# Altium PCB MCU009B_PCB.PcbDoc (part 3 of 4)
Units mil, origin at the board's own origin, x right, y up, seen from the top; angles counter-clockwise.
Board outline 2657.23 x 2215.46 mil, 10 copper layers (Top Layer, Internal-Plane 2, Mid-Layer 3, Mid-Layer 4, Internal-Plane 5, Internal-Plane 6, Mid-Layer 7, Mid-Layer 8, Internal-Plane 9, Bottom Layer), stack 60.8 mil thick; 232 components, 196 nets, 851 pads, 493 vias.
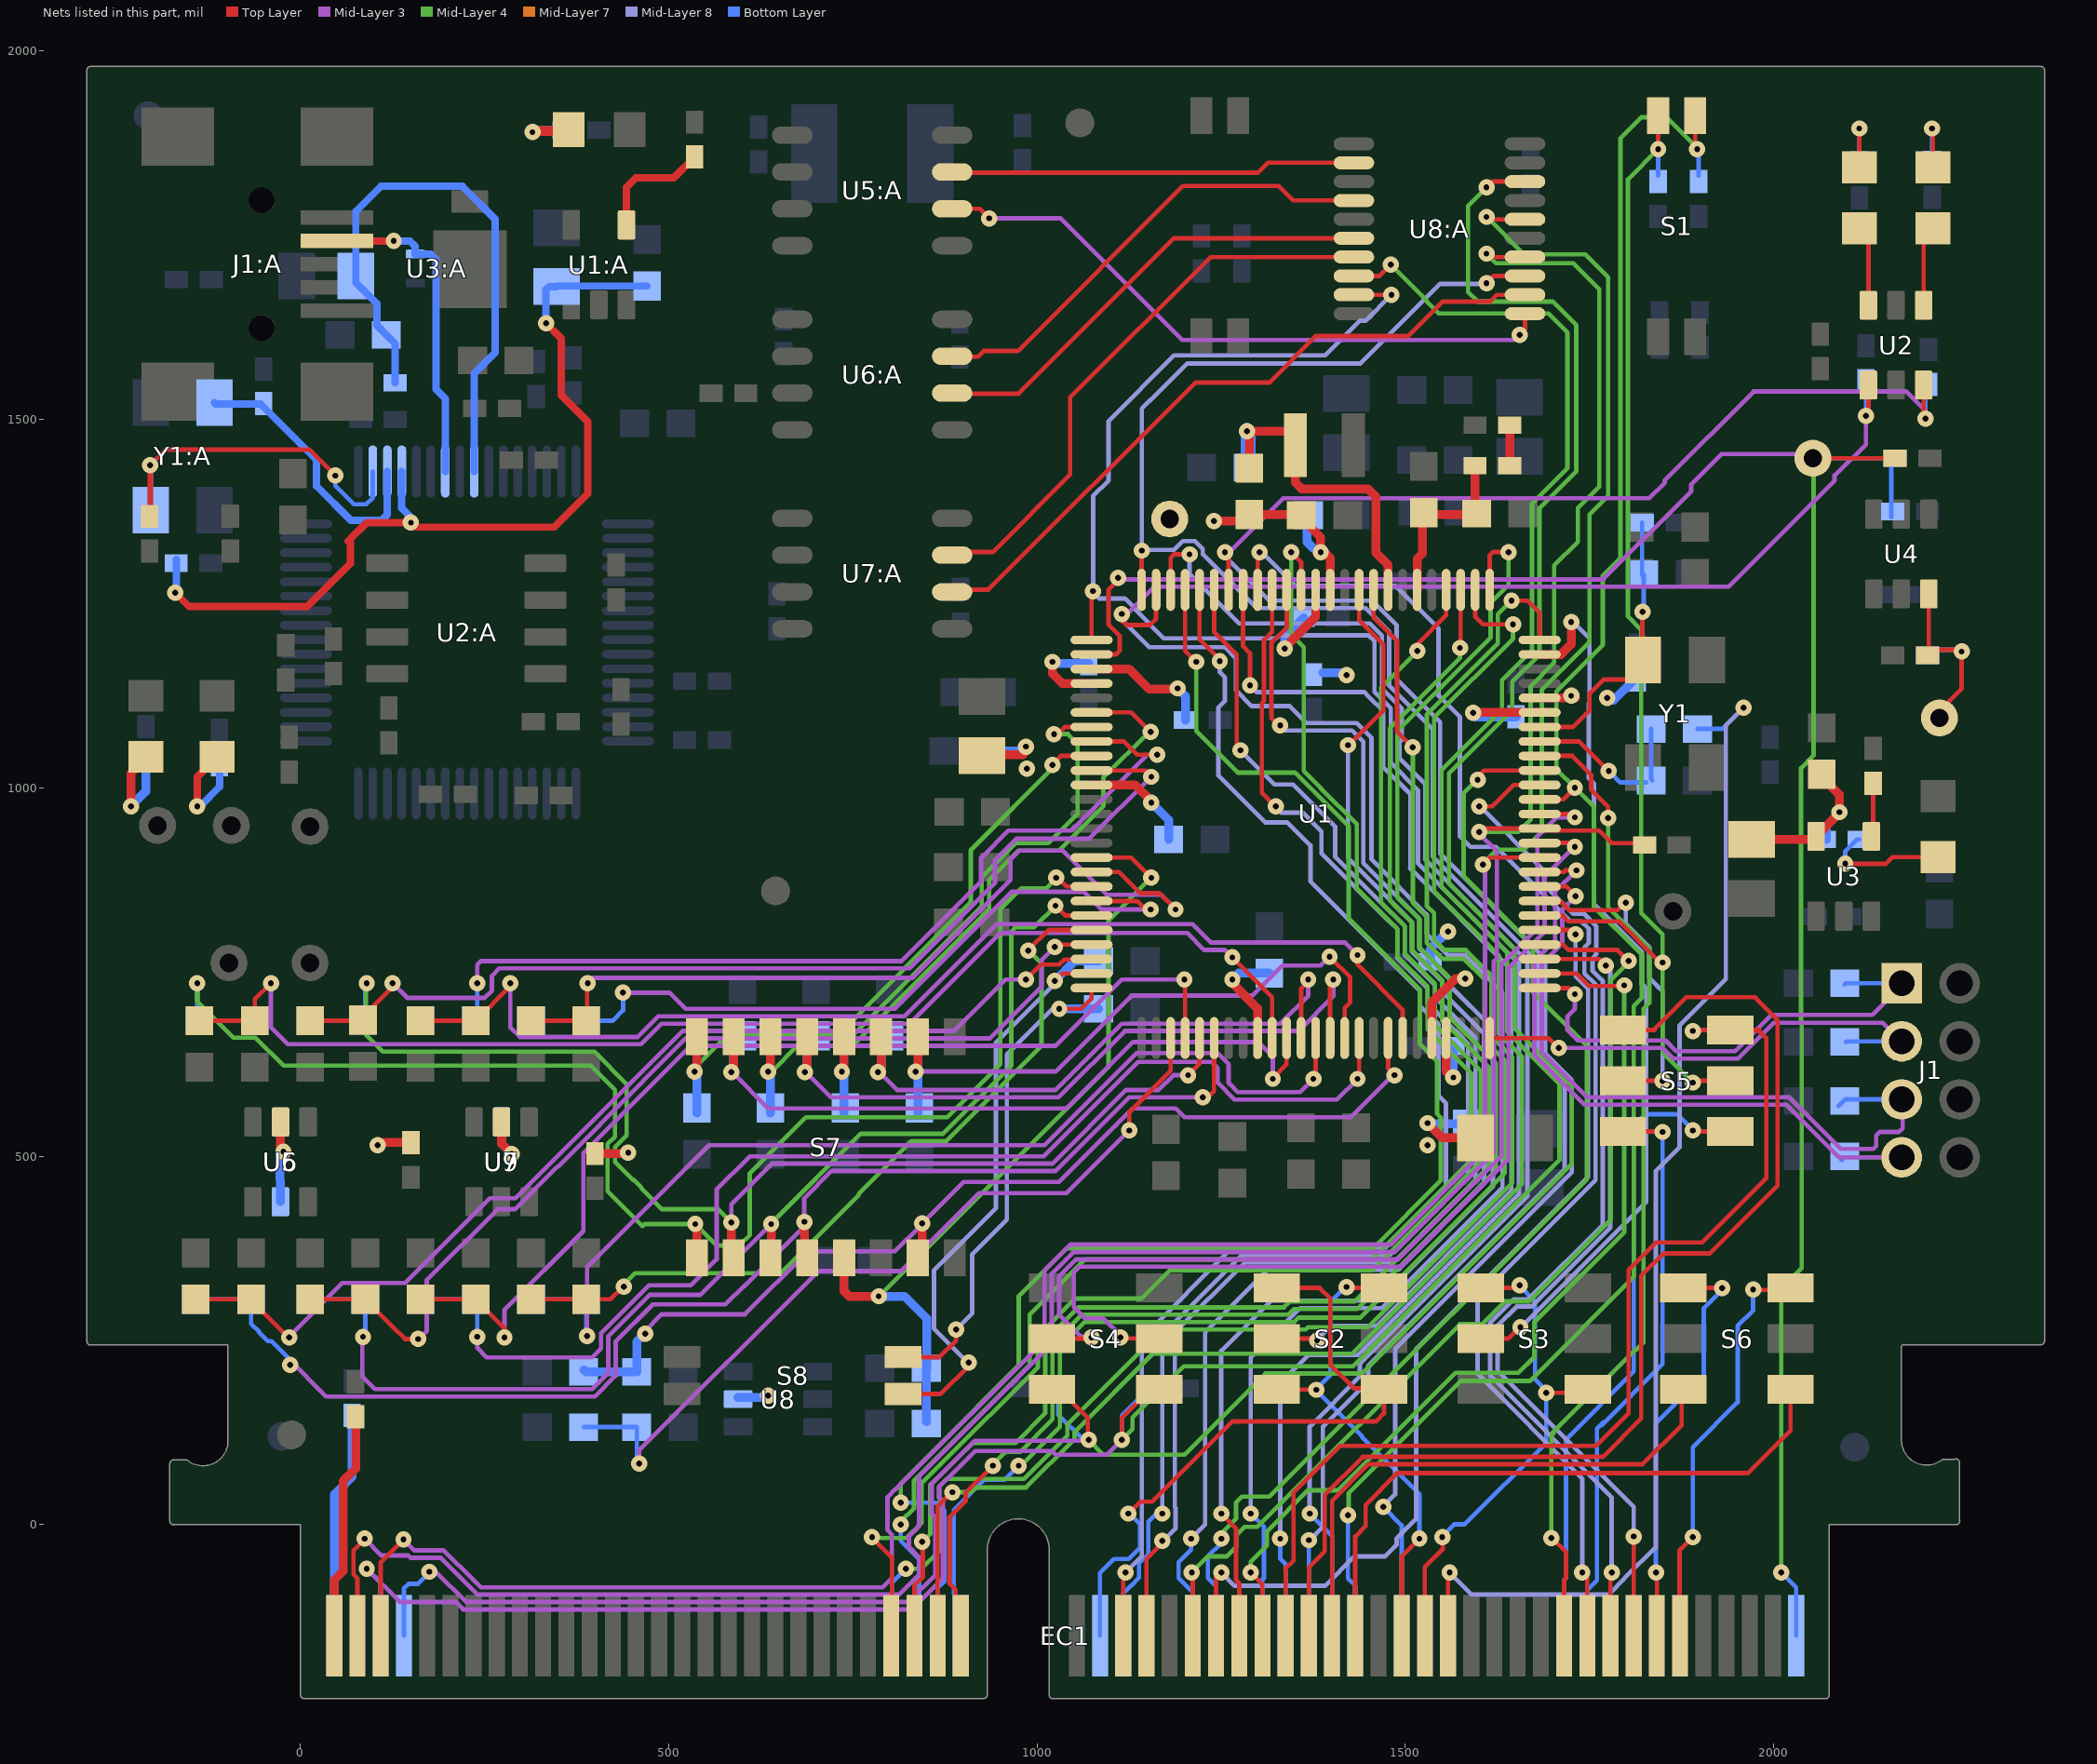
[diagram p11: the nets of this part, all layers, seen from the top]

## Via types
v1: diameter 22, hole 8, Top Layer to Bottom Layer, 414 vias
v2: diameter 22, hole 8, Top Layer to Bottom Layer, tented both sides, 79 vias

## Nets (pads, with @x,y where several pads share a name; then routed paths per layer and width w, separated by ;. In a path a pad name is that pad's centre, name@x,y a point inside that pad or via, vN(x,y) a via of type N, cw(c..) or ccw(c..) an arc to the next point about the centre after c; other vN are vias at no path point) (continued)
HSEC_PIN60: EC1.60 S2.1 S2.6 | length 895
  Top Layer w6: v1@1125,16 1140,31 1156,31 1265,140 1460,140 1470.93,150.93 S2.6@1470.93,183.5 ; S2.1@1325.27,321.3 1383.7,321.3 1398,307 1398,217 1430,185 S2.6@1465,185 ; S2.6@1470.93,185 S2.6@1475,185
  Bottom Layer w6: EC1.60@1085.43,-150.67 1085.43,-65.57 1104.5,-46.5 1124.5,-46.5 1140,-31 1140,0 v1@1124,16
  other v1: 1124,15
HSEC_PIN75: EC1.75 S5.3 | length 1426.1
  Top Layer w6: 1336.9,-60.1 1348,-49 1348,44 1411,107 1759,107 1803,151 1803,346 1840,383 1903,383 1987,467 1987,467.46 1990,470.46 1990,660 1980,670 ; EC1.75@1337.4,-150.67 1337.4,-60.6 ; v1(1890,670) 1891.3,671.3 S5.3@1940.93,671.3 1980,671.3
HSEC_PIN77: EC1.77 S5.6 | length 1568.7
  Top Layer w6: EC1.77@1368.9,-150.67 1368.9,-58.1 1390.39,-36.61 1390.39,40.39 1442,92 1768,92 1820,144 1820,338 1850,368 1913,368 2005,460 2005,685 1975,715 ; S5.6@1795.27,671.3 1838,671.3 1838,673 1881,716 1975,716
HSEC_PIN79: EC1.79 S6.3 | length 750.2
  Top Layer w6: EC1.79@1400.39,-150.67 1400.39,32.39 1450,82 1822,82 1875,135 S6.3@1875,185
HSEC_PIN81: EC1.81 S6.6 | length 860.8
  Top Layer w6: EC1.81@1431.89,-150.67 1431.89,-16 ; 1432,-16 1446,-2 1446,27 1489,70 1965,70 2022.83,127.83 S6.6@2022.83,182.83 ; S6.6@2022.83,183.5 S6.6@2022.83,182.83 ; S6.6@2025,185 S6.6@2022.83,182.83
HSEC_PIN85: EC1.85 S2.3 S2.4 | length 677.6
  Top Layer w6: S2.3@1325.27,183.5 1378.5,183.5 1379,184 v1(1379,183) ; v1(1420,322.6) 1418.7,321.3 S2.4@1470.93,321.3 ; EC1.85@1494.88,-150.67 1494.88,-43.12 v1(1519,-19) v1@1520,-18
  Mid-Layer 7 w6: v1(1420,322.6) v1@1420,330
  Bottom Layer w6: v1@1377,184 1441.5,119.5 ; v1(1379,183) 1379,184 1398,203 1398,302 v1@1419,323 ; 1441,119 1519,41 v1(1519,-19)
HSEC_PIN87: EC1.87 S3.1 S3.6 | length 680.1
  Top Layer w6: EC1.87@1526.38,-150.67 1526.38,-57.62 1551,-33 v1@1551,-19 ; v1@1550,-19 v1(1550,-17) ; S3.6@1602.17,321.3 1651.3,321.3 v1(1655,325) ; v1(1691,179) 1742,179 S3.1@1747,184
  Bottom Layer w6: v1@1549,-17 1566.5,0.5 1580.5,0.5 1691,111 v1(1691,179) ; v1(1655,325) 1655,324 1676,303 1676,197 v1@1693,180
HSEC_PIN100: EC1.100 S5.1 | length 878.3
  Top Layer w6: v1(1890,535) 1891.5,533.5 S5.1@1940.93,533.5
  Bottom Layer w6: EC1.100@1715.35,-150.67 1715.35,-75.1 1718,-72.46 1718,116 1810,208 1810,542 1825,557 1869,557 v1@1890,536
HSEC_PIN102: EC1.102 S5.4 | length 785.2
  Top Layer w6: S5.4@1795.27,533.5 1848.5,533.5 v1(1849,533)
  Bottom Layer w6: EC1.102@1746.85,-150.67 1746.85,-88.61 1760,-75.46 1760,130 1769,139 ; 1766,135 1849,218 v1(1849,533)
HSEC_PIN107: EC1.107 S6.1 | length 561.9
  Top Layer w6: v1(1840,-65) 1841.34,-66.34 EC1.107@1841.34,-150.67 ; S6.1@1877.17,321.3 1929.7,321.3 v1(1930,321)
  Bottom Layer w6: v1(1840,-65) 1840,138 1905,203 1905,294 v1@1931,320
HSEC_PIN109: EC1.109 S6.4 | length 561.6
  Top Layer w6: EC1.109@1872.83,-150.67 1872,-149.84 1872,-35 v1(1890,-17) ; v1(1972,319) 1971.5,318.5 S6.4@2020.93,318.5
  Bottom Layer w6: v1(1890,-17) 1890,105 1951,166 1951,270 1972,291 v1(1972,319)
HSEC_TDI: EC1.8 R8.1 S4.3 U8:A.18 | length 3853.8
  Top Layer w6: S4.3@1020.27,183.5 1030.5,183.5 1069,145 v1@1069,119 ; v1(1610,1815) 1617.82,1822.82 U8:A.18@1662.34,1822.82
  Mid-Layer 3 w6: v1(175,-64) 184,-64 225,-105 825,-105 862,-68 862,10 857,15 857,55.6 915.4,114 1069,114 v1(1070,115)
  Mid-Layer 4 w6: v1(1070,115) 1090,95 1200,95 1310,205 1441,205 1726,490 1726,595.57 1648,673.57 1648,780.86 1559,869.86 1559,1019.86 1645,1105.86 1645,1144 1682,1181 1682,1380 1732,1430 1732,1628 1700,1660 1598,1660 1585,1673 1585,1790 v1(1610,1815)
  Bottom Layer w6: EC1.8@140.55,-150.67 140.55,-86.45 146.5,-80.5 159.5,-80.5 v1@176,-64 ; R8.1@1028.62,185 1028.62,149.38 1063,115 v1(1070,115)
HSEC_TDO: EC1.6 R9.1 S4.6 U8:A.8 | length 3882.1
  Top Layer w6: v1(1115,115) 1115,145 1153.5,183.5 S4.6@1165.93,183.5 ; U8:A.8@1430.05,1694.87 1464.87,1694.87 v1(1480,1710)
  Mid-Layer 3 w6: v1@85,-60 v1(90,-60) 135,-105 210.86,-105 220.86,-115 830,-115 872,-73 872,31.54 867,36.54 867,51.46 877.54,62 878.14,62 916.14,100 1020,100 1025,95 1095,95 v1(1115,115) ; v1@1113,117 v1@1117,121
  Mid-Layer 4 w6: v1(1115,115) 1129.5,129.5 1129.5,145.5 1199,215 1429,215 1709,495 1709,598.43 1638,669.43 1638,776.72 1549,865.72 1549,1024 1631,1106 1631,1146 1672,1187 1672,1386 1720,1434 1720,1618 1694,1644 1545,1644 1528,1661 ; v1(1480,1710) 1528.5,1661.5
  Bottom Layer w6: v1(90,-60) 109.05,-79.05 EC1.6@109.05,-150.67 ; v1(1115,115) 1115,148 1152,185 1154,185 1155,186 R9.1@1157,184 ; R9.1@1156.38,188.78 R9.1@1158.1,188.78
MCU_1V2: C1.1 C2.1 C3.2 C4.2 C5.2 C6.2 R22.1 TP3.1 U1.4 U1.46 U1.71 U1.87 | length 699.9
  Top Layer w12: v1(1021,1171) 1021,1155 1034.27,1141.73 U1.4@1073.97,1141.73 ; v1(1240,1362) 1279.2,1362 R22.1@1286.1,1368.9 ; R22.1@1285,1370 R22.1@1286.1,1368.9 ; U1.87@1397.79,1268.7 1397.79,1312.21 1390,1320 v1(1385,1320) 1385,1340 1354.1,1370.9 R22.1@1288.1,1370.9 R22.1@1286.1,1368.9 ; U1.46@1535.58,660.43 1535.58,708.58 1568,741 v1(1581,741) ; U1.71@1682.23,1122.04 1731.04,1122.04 1728.08,1125 v1(1725,1125) ; v1@1773,1119 v1@1776,1122
  Bottom Layer w12: v1@1020,1172 v1(1021,1171) 1023.38,1168.62 C6.2@1070,1168.62 ; C1.1@1366.6,1357.4 1366.6,1333.4 1375,1325 ; 1388.1,1156.02 1417.02,1156.02 v1(1420,1153) ; C5.2@1533.62,765 1533.62,781.62 1558,806 v1(1558,805) ; v1@1773,1119 v1@1776,1122 ; v1@1782.62,1119 C4.2@1810,1146.38
  other v1: 1774,1122
MCU_3V3: C8.1 C14.1 C15.1 C16.1 C17.1 L1.2 U1.3 U1.47 U1.70 U1.88 | length 708
  Top Layer w12: U1.3@1073.97,1161.41 1124.59,1161.41 1152,1134 1190,1134 v1(1191,1135) ; v1@1336,1190 1378.1,1232.1 U1.88@1378.1,1268.7 ; v1@1529,546 v1(1530,545) 1550,525 L1.2@1595,525 ; U1.47@1555.27,660.43 1555.27,614.73 1563,607 v1(1565,607) ; v1@1599.64,1102.36 U1.70@1682.23,1102.36
  Bottom Layer w12: v1@1186.38,1135 v1(1191,1135) ; v1@1190,1136 v1(1191,1135) ; C14.1@1201.38,1092 1201.38,1124.62 v1(1191,1135) ; v1(1336,1189) 1336,1205 C17.1@1362,1231 ; v1@1528,545 1529.1,543.9 C8.1@1583.1,543.9 ; C15.1@1564.52,649.99 1564.52,607.48 v1(1565,607) ; v1@1590,1102 1595.62,1096.38 C16.1@1650,1096.38
  other v1: 1530,515 1592,1102
MCU_A_3V3: C11.2 C12.2 C13.2 C32.1 C33.1 L2.2 U1.11 U1.34 U5.5 U6.5 U7.5 U8.5 U9.5 | length 761.8
  Top Layer w12: U5.5@-26.9,546.53 -26.9,511.1 -23,507.2 v1(-23,506) ; v1@106,515 109.62,518.62 C32.1@150,518.62 ; U9.5@273.1,546.53 273.1,516.9 v1(287,503) ; C33.1@400,503.62 443.62,503.62 v1(445,505) ; L2.2@925,1045 981,1045 v1@986,1050 ; U1.11@1073.97,1003.93 1133.07,1003.93 v1@1155,982 ; v1(1265,740) 1265,735 1299.36,700.64 U1.34@1299.36,660.43
  Bottom Layer w12: U6.5@-26.9,438.27 -26.9,467.2 -28,468.3 -28,506 v1@-25,509 ; U7.5@273.1,546.53 273.1,516.9 v1(287,503) ; U8.5@593.97,172.4 633.4,172.4 v1@636,175 ; C11.2@936.5,1050 985,1050 v1@985,1055 ; v1(1155,980) 1178.5,956.5 C12.2@1178.5,930 ; v1@1155,981 v1@1155.5,980.5 ; v1(1265,740) 1273.5,748.5 C13.2@1315,748.5
  other v1: 635,175 105,515 986,1026 985,1056
MCU_ADC-A0: C48.1 R36.1 U1.23 | length 1452
  Top Layer w6: C48.1@-141.9,305.9 R36.1@-66.9,305.9 -66.9,304.9 v1@-17,255 ; v1(985,740) 1005,760 1030,760 1037,767 1073.25,767 U1.23@1073.97,767.71
  Mid-Layer 3 w6: v1@-16,255 57,328 142,328 257,443 291.86,443 518.86,670 887,670 957,740 v1(985,740) ; v1@-15.5,253.5 v1@-14,252 ; v1(-15,254) v1@-15,255
MCU_ADC-A1: C49.1 R38.1 U1.22 | length 1362.3
  Top Layer w6: R38.1@13.1,305.9 C49.1@87.9,305.9 ; C49.1@88.1,305.9 126,268 142,252 v1(160,252) ; v1@1027.4,787.4 U1.22@1073.97,787.4
  Mid-Layer 3 w6: v1@161,252 171.5,262.5 171.5,331.5 268,428 291,428 349,486 349.7,486 465,601.3 465,602 523,660 936,660 1006,730 1006,766 v1(1024,784) v1@1025,785
MCU_ADC-A3: C50.1 R41.1 U1.10 | length 1428.1
  Top Layer w6: R41.1@13.1,683.9 89.9,683.89 C50.1@88.1,683.9 ; C50.1@85,685 85,690 v1@130,735 ; U1.10@1073.97,1023.62 1147.38,1023.62 v1@1158,1013
  Mid-Layer 3 w6: v1(125,735) 145,715 250,715 260,725 260,745 270,755 827,755 943,871 943,902 972,931 1071,931 v1(1155,1015)
MCU_ADC-A5: C51.1 R44.1 U1.35 | length 1716.7
  Top Layer w6: C51.1@-136.9,683.9 R44.1@-63.1,683.9 ; R44.1@-61.9,683.9 -61.9,713.1 v1(-40,735) ; v1(1265,770) 1319.04,715.96 U1.35@1319.04,660.43
  Mid-Layer 3 w6: v1(-40,735) -40,675 -17,652 462.14,652 490.14,680 827,680 950,803 1204,803 1227,780 1255,780 v1(1265,770)
MCU_ADC-A9: C52.1 R47.1 U1.38 | length 1432.3
  Top Layer w6: v1(1375,605) 1378.1,608.1 U1.38@1378.1,660.43
  Mid-Layer 3 w6: v1(389,256) 389,349.46 554.54,515 1010,515 1135,640 1245,640 1260,625 1260,600 1262,598 1262,597.54 ; 1259.77,599.77 1262,597.54 ; v1(1375,605) 1357,587 1272.54,587 1262,597.54
  Bottom Layer w6: R47.1@313.1,305.9 C52.1@391.1,305.9 ; C52.1@388.1,305.9 388.1,256.9 v1(389,256)
MCU_ADC-B0: C53.1 R49.1 U1.41 | length 1669.5
  Top Layer w6: 1437.16,617.16 U1.41@1437.16,660.43
  Mid-Layer 3 w6: v1@240,256 v1(240,255) 240,240 253,227 396,227 408,239 408,260 473,325 530,325 565,360 565,455 610,500 1009.14,500 1137.14,628 1237,628 1245,620 1245,600 1268,577 1407,577 v1(1435,605)
  Bottom Layer w6: C53.1@163.1,305.9 R49.1@238.1,305.9 240,304 v1(240,255) 240,254 v1@239,253
  Bottom Layer w12: R49.1@238.1,305.9 239.1,305.9 R49.1@240,305
MCU_ADC-B3: C54.1 R53.1 U1.8 | length 1308.1
  Top Layer w6: U1.8@1073.97,1062.99 1117.99,1062.99 1135.97,1045 v1(1163,1045)
  Mid-Layer 3 w6: v1(240,735) 240,760 245,765 816,765 924,873 924,905 961,942 1047,942 1150,1045 v1(1163,1045)
  Bottom Layer w6: C54.1@163.1,683.9 237.9,683.9 240,686 v1(240,735)
MCU_ADC-C0: C55.1 R60.1 U1.19 | length 1040.5
  Top Layer w6: U1.19@1073.97,846.45 1135.55,846.45 v1@1149,833
  Mid-Layer 3 w6: v1(438,722) v1@439,722 ; v1@438,723 v1@439,722 ; v1(1154,835) 1087,835 1063,859 966,859 807,700 523,700 501,722 v1@439,722
  Bottom Layer w6: R60.1@313.1,683.9 C55.1@390.9,683.9 ; C55.1@388.1,683.9 C55.1@390.89,683.9 ; v1(438,722) 438,698 423.9,683.9 C55.1@390.89,683.9
MCU_ADC-C1: C56.1 R61.1 U1.29 | length 1432.9
  Top Layer w6: C56.1@163.1,305.9 R61.1@237.9,305.9 ; R61.1@238.1,305.9 277,267 v1(277,254) v1@277,252 ; v1(1200,740) 1200.93,739.07 U1.29@1200.93,660.43
  Mid-Layer 3 w6: v1(277,254) 277,291.46 384,398.46 384,504 530,650 1025,650 1115,740 v1(1200,740)
MCU_ADC-C2: C57.1 R62.1 U1.21 | length 1073.7
  Top Layer w6: R62.1@313.1,305.9 C57.1@390.9,305.9 ; C57.1@388.1,305.9 420.9,305.9 v1@437,322 ; v1@987.5,779.5 1015.08,807.08 U1.21@1073.97,807.08
  Mid-Layer 4 w6: v1@437,324 454.27,341.27 651.73,341.27 758,447.54 758,449 829.5,520.5 876.64,520.5 1006,649.86 1006,762 v1@988,780
  other v1: 439,323 988,779
MCU_ADC-C4: C58.1 R63.1 U1.17 | length 1187.2
  Top Layer w6: R63.1@313.1,683.9 389.1,683.9 389.1,734.1 v1(390,735) ; U1.17@1073.97,885.82 1111.18,885.82 1140,857 1166,857 v1(1188,835)
  Mid-Layer 3 w6: v1@388,735 395,742 831,742 964,875 964,903 976,915 1035,915 1095,855 1169,855 1188,836 v1(1188,835)
MCU_ADC-C14: C59.1 R64.1 U1.44 | length 1585.8
  Top Layer w6: C59.1@163.1,683.9 R64.1@237.9,683.9 ; R64.1@238.1,683.9 285,730.8 v1(285,735) v1@285,740 ; v1(1435,773) 1435,760 1496.21,698.79 U1.44@1496.21,660.43
  Mid-Layer 3 w6: v1(285,735) 285,675 298,662 458,662 486,690 820,690 945,815 1211,815 1236,790 1418,790 v1(1435,773) v1@1436,772
MCU_ADC-PGA1: C41.2 R37.2 S7.1 U1.18 | length 2040.2
  Top Layer w6: v1(1026,878) 1028,878 1039.86,866.14 U1.18@1073.97,866.14
  Top Layer w12: v1(536,408) 538.1,405.9 S7.1@538.1,362.4
  Mid-Layer 4 w6: v1@-140,740 v1(-140,735) -140,710 -91,661 -61,661 -23,623 394,623 427,590 427,526.6 417,516.6 417,452.54 464.54,405 467.54,408 v1(536,408) 565,379 596,379 610,393 610,477 686,553 878,553 950,625 950,835 978.5,863.5 1012.5,863.5 1026,877 v1(1026,878)
  Bottom Layer w6: v1(-140,735) -140,686.99 C41.2@-136.9,683.9 -62.1,683.9 R37.2@-61,685
  Bottom Layer w12: R37.2@-61.9,683.9 -61.1,683.9 R37.2@-60,685
MCU_ADC-PGA1OF: C34.2 S7.16 U1.9 | length 877.1
  Top Layer w6: v1(1021,1031) 1021,1032 1032.3,1043.3 U1.9@1073.97,1043.3
  Top Layer w12: v1(535,615) 538.1,618.1 S7.16@538.1,662.4
  Mid-Layer 4 w6: v1@530,615 580,665 730,665 910,845 910,915.46 1025.54,1031 v1(1021,1031)
  Bottom Layer w12: C34.2@538.1,558.89 C34.2@538.1,565.5 v1@538.1,615
MCU_ADC-PGA2: C42.2 R39.2 S7.2 U1.30 | length 1707.2
  Top Layer w6: v1(1205,610) 1220.62,625.62 U1.30@1220.62,660.43
  Top Layer w12: v1(585,410) 585,365 S7.2@590,360
  Mid-Layer 3 w6: v1(585,410) 585,435 640,490 1020.86,490 1120.86,590 1165,590 1185,610 v1(1205,610)
  Mid-Layer 4 w6: v1@90,736 89,735 89,665 112,642 399,642 443,598 443,528.46 427,512.46 427,492 451,468 452.46,468 463,457.46 463,456 491,428 567,428 v1(585,410)
  Bottom Layer w6: R39.2@13.1,683.9 79.9,683.9 88,692 88,733 v1(90,735)
MCU_ADC-PGA2OF: C35.2 S7.15 U1.36 | length 986.9
  Top Layer w6: v1(1320,605) 1320,606 1338.73,624.73 U1.36@1338.73,660.43
  Top Layer w12: v1(585,614) 588.1,617.1 S7.15@588.1,662.4
  Mid-Layer 3 w6: v1(585,614) 586,614 635,565 1040,565 1130,655 1300,655 1320,635 v1(1320,605)
  Bottom Layer w12: v1(585,614) 588.1,617.1 C35.2@588.1,655.91
MCU_ADC-PGA3: C43.2 R40.2 S7.3 U1.20 | length 1628.3
  Top Layer w6: v1@1027.5,837.5 1038.23,826.77 U1.20@1073.97,826.77
  Top Layer w12: v1@635,408.8 635.8,408 v1(639,408) 639,369 635,365 S7.3@640,365
  Mid-Layer 3 w6: v1@84,257 84,201 101,184 395.86,184 418,206.14 418,255.86 474.14,312 543,312 v1@633,402
  Mid-Layer 4 w6: v1(639,408) 639,409 760.5,530.5 872.5,530.5 965,623 965,805 971,811 996,811 v1(1025,840)
  Bottom Layer w6: R40.2@13.1,305.9 C43.2@87.1,305.9 ; v1@88.1,260.1 C43.2@88.1,305.9
  other v1: 85,255
MCU_ADC-PGA3OF: C36.2 S7.14 U1.7 | length 886.8
  Top Layer w6: v1(1023,1073) 1028,1073 1037.67,1082.67 U1.7@1073.97,1082.67
  Top Layer w12: v1(635,615) 638.1,618.1 S7.14@638.1,662.4
  Mid-Layer 4 w6: v1@630,615 v1(635,615) 640,615 675,650 735.86,650 925,839.14 925,879.14 970.86,925 1015,925 1055,965 1055,1060 1042,1073 v1(1023,1073)
  Bottom Layer w12: v1(635,615) 638.1,611.9 C36.2@638.1,565.5 C36.2@638.1,558.89
MCU_ADC-PGA4: C44.2 R42.2 S7.4 U1.31 | length 1796.4
  Top Layer w6: v1(1225,580) 1232,580 1240,588 1240,626.39 1240.3,626.7 U1.31@1240.3,660.43
  Top Layer w12: v1(684,411) 684,371 S7.4@690,365
  Mid-Layer 3 w6: v1@-16,225 35,174 400,174 428,202 428,248.46 478.54,299 577,299 603,325 ; 602,323 v1@681,402 ; v1(684,411) 684,443 721,480 1025,480 1125,580 v1(1225,580)
  Bottom Layer w6: C44.2@-141.9,305.9 R42.2@-70.9,305.9 ; R42.2@-66.9,305.9 -66.9,272.68 -55.73,261.51 -55.73,260.73 -44,249 -39,249 -14,224 v1(-14,217)
  Bottom Layer w12: R42.2@-66.9,305.9 R42.2@-65.9,305.9
MCU_ADC-PGA4OF: C37.2 S7.13 U1.39 | length 985.9
  Top Layer w6: U1.39@1397.79,660.43 1397.79,737.21 1400.57,740 v1(1402,740)
  Top Layer w12: v1(685,614) 688.1,617.1 S7.13@688.1,662.4
  Mid-Layer 3 w6: v1(685,614) 686,614 720,580 1029.14,580 1119.14,670 1355,670 1402,717 v1(1402,740)
  Bottom Layer w12: v1(685,614) 688.1,617.1 C37.2@688.1,655.91
MCU_ADC-PGA5: C45.2 R43.2 S7.5 U1.16 | length 1131.2
  Top Layer w6: U1.16@1073.97,905.51 1127.49,905.51 v1(1155,878) v1@1156,877
  Top Layer w12: S7.5@738.1,362.4 738.1,316.9 745,310 v1(785,310)
  Mid-Layer 4 w6: v1(785,310) 1097,622 1097,820 v1(1155,878)
  Bottom Layer w12: v1(785,310) 820,310 850,280 R43.2@850,210 ; R43.2@849.6,212.4 849.59,139.59 C45.2@850,140
MCU_ADC-PGA5OF: C38.2 S7.12 U1.6 | length 865.1
  Top Layer w6: U1.6@1073.97,1102.36 1127.64,1102.36 v1(1154,1076) v1@1155,1075
  Top Layer w12: v1(735,615) 738.1,618.1 S7.12@738.1,662.4
  Mid-Layer 4 w6: v1(735,615) 735,635 935,835 935,875 975,915 1030,915 1090,975 1090,1014 1152,1076 v1(1154,1076)
  Bottom Layer w12: C38.2@738.1,558.89 v1@738.1,615
MCU_ADC-PGA6: C46.2 R45.2 U1.28 | length 1131.5
  Top Layer w6: v1(1125,535) 1125,559.54 1181.25,615.79 U1.28@1181.25,660.43
  Mid-Layer 3 w6: v1@460,85 460,101 703,344 815,344 921,450 1040,450 v1(1125,535)
  Bottom Layer w6: C46.2@384.6,132.4 419.6,132.4 ; 420.4,132.4 R45.2@456.6,132.4 456.6,86.4 v1(460,83)
MCU_ADC-PGA6OF: C39.2 S7.11 U1.37 | length 846.9
  Top Layer w6: U1.37@1358.41,660.43 1358.41,727.41 v1@1370,739
  Top Layer w12: v1(784,614) 788.1,618.1 S7.11@788.1,662.4
  Mid-Layer 3 w6: v1(784,614) 785,615 810,590 1025,590 1115,680 1330,680 1368,718 v1(1368,740)
  Bottom Layer w12: v1(784,614) 788.1,618.1 C39.2@788.1,655.91
MCU_ADC-PGA7: C47.2 R46.2 S7.7 U1.43 | length 1402.7
  Top Layer w6: 1476.53,618.47 U1.43@1476.53,660.43
  Top Layer w12: S7.7@838.1,362.4 844,368.3 v1(844,409)
  Mid-Layer 3 w6: v1@467,262 490.5,285.5 603.5,285.5 689,371 807,371 842,406 v1@841,406 ; v1(844,409) v1@841,406 ; v1@1487,614 1426,553 1200,553 1188,565 1129.54,565 1107,542.46 1107,542 1030,465 900,465 v1@841,406
  Bottom Layer w12: C47.2@385,210 387.6,207.4 R46.2@456.6,207.4 456.6,248.4 467.21,259 v1(468,259)
  other v1: 1485,610
MCU_ADC-PGA7OF: C40.2 S7.10 U1.40 | length 856.6
  Top Layer w6: v1@1395,773 v1(1397,771) 1425,743 1425,709 1417.47,701.47 U1.40@1417.47,660.43
  Top Layer w12: v1(835,615) 838.1,618.1 S7.10@838.1,662.4
  Mid-Layer 3 w6: v1(835,615) 1025,615 1128,718 1292,718 1333,759 1385,759 v1@1394,768
  Bottom Layer w12: v1(835,615) 838.1,611.9 C40.2@838.1,558.89
MCU_GPIO-00: EC1.49 U1.79 | length 2109
  Top Layer w6: v1@775,-17 803,-45 803,-149.64 EC1.49@801.97,-150.67 ; v1@1516,1185 v1(1516,1186) 1516,1195 1555.27,1234.27 U1.79@1555.27,1268.7
  Mid-Layer 4 w6: v1@776,-16 778,-18 822.46,-18 831.73,-8.73 ; 832,-9 843,2 843,55.74 869.26,82 ; 869.28,82 1001,213.72 1001,256 1052,307 1142,307 1180,345 1455,345 1602,492 1602,616 1540,678 1540,734.28 1499,775.28 1499,812.6 1467,844.6 1467,1136 v1@1516,1185
  other v1: 776,-17
MCU_GPIO-01: EC1.51 U1.78 | length 2089